# Allegro board pc065c_fibv2_toplevel_28smoothed.brd (continued)
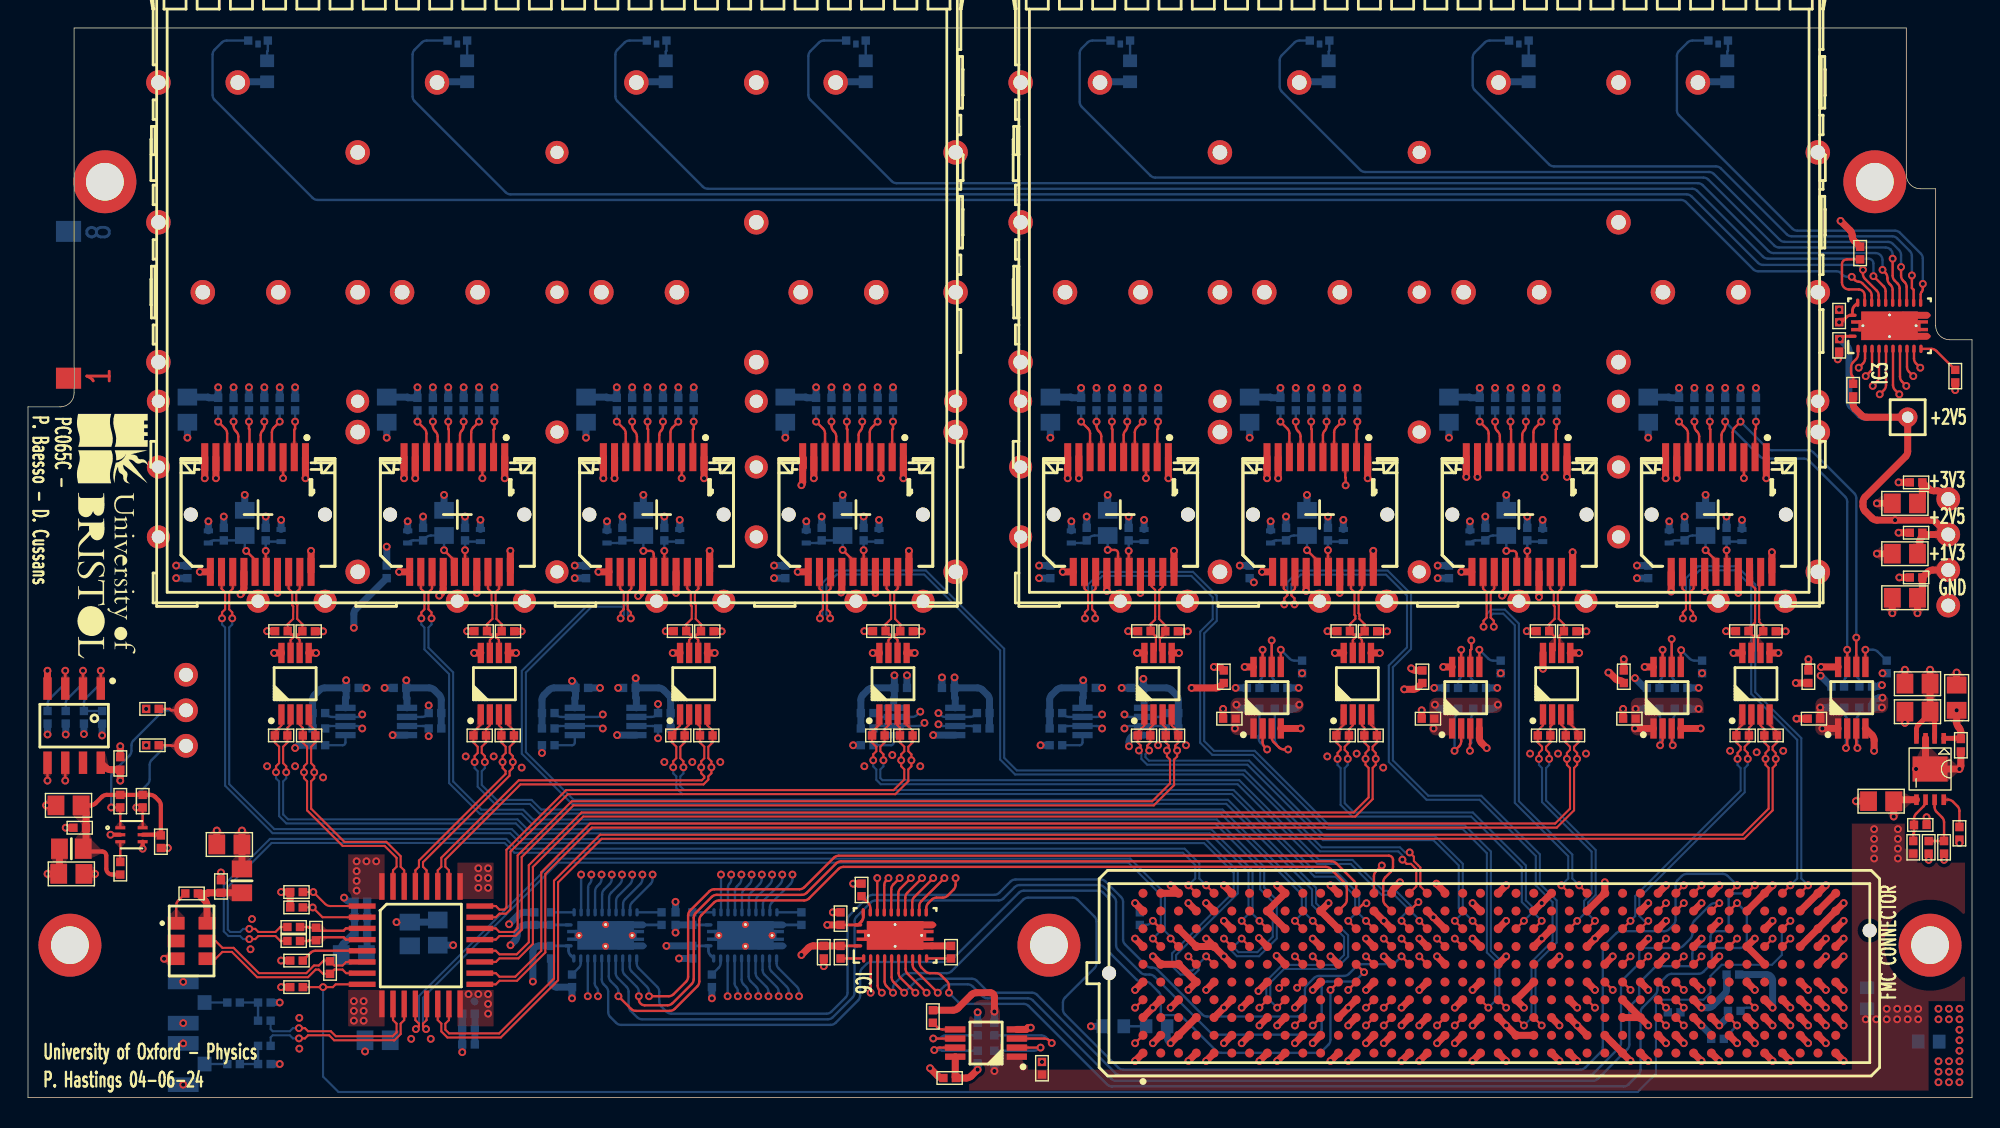
[diagram p0: board, top side]
## Routing (per net, layer and track width the routed paths; a pad name or vN(x,y) marks a point on that pad's centre or on a via; arc(x,y) is an arc through that point) (continued)
TD_FFD_N<6>: length 17.8
  TOP w0.15: U8.2 108.97,26.68 108.85,26.55 R195.2 108.85,25.4 108.55,25.09 108.55,24.87 108.77,24.65 v1(108.77,24.22) ; J2.H26 v1(112.04,12.64)
  BOTTOM w0.15: v1(108.77,24.22) 108.77,23.79 108.55,23.57 108.55,21.25 112.09,17.71 112.09,14.49 111.55,13.95 111.55,13.13 v1(112.04,12.64)
TD_FFD_N<7>: length 19.5
  TOP w0.15: v1(122.97,24.22) 122.97,24.65 122.75,24.87 122.75,25.09 123.05,25.4 R193.2 123.05,26.45 123.22,26.62 U7.2 ; J2.H29 v1(115.85,12.64)
  BOTTOM w0.15: v1(115.85,12.64) 115.56,12.64 115.21,12.99 115.21,14.3 122.75,21.83 122.75,23.57 122.97,23.79 v1(122.97,24.22)
TD_FFD_P<0>: length 83.2
  TOP w0.15: J2.H7 v1(86.78,12.64) ; U3.1 18.12,26.62 17.65,26.15 R1.1 17.65,25.4 17.95,25.09 17.95,23.92 17.73,23.7 v1(17.73,23.27)
  BOTTOM w0.15: v1(17.73,23.27) 17.73,22.83 17.95,22.61 17.95,20.13 18.47,19.61 34.88,19.61 35.59,18.9 84.49,18.9 87.27,16.12 87.27,13.13 v1(86.78,12.64)
TD_FFD_P<1>: length 70.7
  TOP w0.15: U4.1 32.38,26.68 31.85,26.15 R187.1 31.85,25.4 32.16,25.09 32.16,24.65 31.93,24.43 v1(31.93,24) ; J2.H10 v1(90.59,12.64)
  BOTTOM w0.15: v1(90.59,12.64) 91.08,13.13 91.08,14.52 85.29,20.31 36.58,20.31 35.89,21 33.39,21 32.16,22.23 32.16,23.34 31.93,23.56 v1(31.93,24)
TD_FFD_P<2>: length 60.3
  TOP w0.15: U5.1 46.62,26.62 46.05,26.05 R189.1 46.05,25.4 46.35,25.09 46.35,24.27 46.13,24.05 v1(46.13,23.62) ; J2.H13 v1(94.4,12.64)
  BOTTOM w0.15: v1(46.13,23.62) 46.13,23.19 46.35,22.97 46.35,22.15 46.79,21.71 86.08,21.71 91.99,15.8 93.49,15.8 94.89,14.4 94.89,13.13 v1(94.4,12.64)
TD_FFD_P<3>: length 48.8
  TOP w0.15: v1(60.44,24.12) 60.44,24.55 60.66,24.77 60.66,25.09 60.35,25.4 R191.1 60.35,26.15 60.88,26.68 U6.1 ; 98.78,12.07 v1(98.21,12.64)
  BOTTOM w0.15: v1(98.21,12.64) 98.21,12.91 98.61,13.31 98.61,13.58 97.69,14.5 96.79,14.5 94.58,16.71 92.19,16.71 86.49,22.41 60.97,22.41 60.66,22.73 60.66,23.47 60.44,23.69 v1(60.44,24.12)
TD_FFD_P<4>: length 34.5
  TOP w0.15: J2.H19 v1(102.02,12.64) ; v1(79.44,24.82) 79.44,24.85 79.56,24.98 79.56,25.19 79.35,25.4 R199.1 79.35,26.15 79.83,26.62 U10.1
  BOTTOM w0.15: v1(79.44,24.82) 79.44,24.77 79.61,24.6 79.61,24.22 80.02,23.81 87.19,23.81 92.59,18.41 100.49,18.41 102.3,16.6 102.3,13.55 102.51,13.34 102.51,13.13 v1(102.02,12.64)
TD_FFD_P<5>: length 26.9
  TOP w0.15: v1(93.64,24.22) 93.64,24.65 93.86,24.87 93.86,25.09 93.55,25.4 R197.1 93.55,26.15 94.08,26.68 U9.1 ; J2.H22 v1(106.96,12.64)
  BOTTOM w0.15: v1(106.96,12.64) 107.45,13.13 107.45,13.34 106.81,13.98 106.81,16.48 103.19,20.1 94.69,20.1 93.86,20.93 93.86,23.57 93.64,23.79 v1(93.64,24.22)
TD_FFD_P<6>: length 17.9
  TOP w0.15: J2.H25 v1(110.77,12.64) ; v1(108.03,24.22) 108.03,24.65 108.25,24.87 108.25,25.09 107.95,25.4 R195.1 107.95,26.25 108.33,26.62 U8.1
  BOTTOM w0.15: v1(110.77,12.64) 111.26,13.13 111.26,14.07 111.8,14.61 111.8,17.59 108.25,21.13 108.25,23.57 108.03,23.79 v1(108.03,24.22)
TD_FFD_P<7>: length 19.3
  TOP w0.15: U7.1 122.58,26.68 122.15,26.25 R193.1 122.15,25.4 122.45,25.09 122.45,24.87 122.23,24.65 v1(122.23,24.22) ; J2.H28 v1(114.58,12.64)
  BOTTOM w0.15: v1(122.23,24.22) 122.23,23.79 122.45,23.57 122.45,21.95 114.92,14.42 114.92,12.98 v1(114.58,12.64)
TEMP_ALERT: length 1.4
  TOP w0.17: IC2.3 R11.1
UNNAMED_1_CAPCERSMDCL2_I31_B: length 5.6
  TOP w0.17: v1(15.6,39.1) 16.09,38.61 arc(16.2,38.44) 16.24,38.25 J7.15
  BOTTOM w0.17: L5.1 12.94,39.7 arc(13.1,39.81) 13.29,39.85 C35.2 14.94,39.85 arc(15.13,39.89) 15.3,40 C34.2 15.5,39.34 arc(15.53,39.21) v1(15.6,39.1)
UNNAMED_1_CAPCERSMDCL2_I31_B_1: length 5.7
  TOP w0.17: J12.15 30.49,38.2 arc(30.45,38.39) 30.34,38.56 v1(29.75,39.15)
  BOTTOM w0.17: v1(29.75,39.15) C43.2 28.81,40.2 arc(28.62,40.16) 28.45,40.05 C44.2 27.54,39.85 arc(27.35,39.81) 27.19,39.7 L7.1
UNNAMED_1_CAPCERSMDCL2_I31_B_2: length 6
  TOP w0.17: v1(44,39.1) 44.52,39.1 arc(44.67,39.03) 44.74,38.88 J16.15
  BOTTOM w0.17: v1(44,39.1) C48.2 43.8,40 arc(43.63,39.89) 43.44,39.85 C49.2 42.46,39.81 arc(42.3,39.7) 42.11,39.66 L9.1
UNNAMED_1_CAPCERSMDCL2_I31_B_3: length 5.7
  TOP w0.17: J20.15 58.99,38.22 arc(58.95,38.41) 58.84,38.57 v1(58.25,39.17)
  BOTTOM w0.17: L11.1 56.36,39.66 arc(56.55,39.7) 56.71,39.81 C54.2 57.69,39.85 arc(57.88,39.89) 58.05,40 C53.2 v1(58.25,39.17)
UNNAMED_1_CAPCERSMDCL2_I31_B_4: length 5.7
  TOP w0.17: J24.15 120.69,38.2 arc(120.65,38.39) 120.54,38.56 v1(119.95,39.15)
  BOTTOM w0.17: v1(119.95,39.15) C62.2 119.01,40.2 arc(118.82,40.16) 118.65,40.05 C63.2 117.74,39.85 arc(117.55,39.81) 117.39,39.7 L13.1
UNNAMED_1_CAPCERSMDCL2_I31_B_5: length 6
  TOP w0.17: J28.15 106.44,38.88 arc(106.37,39.03) 106.22,39.1 v1(105.7,39.1)
  BOTTOM w0.17: v1(105.7,39.1) C67.2 104.76,40.2 arc(104.57,40.16) 104.4,40.05 C68.2 103.49,39.85 arc(103.3,39.81) 103.14,39.7 L15.1
UNNAMED_1_CAPCERSMDCL2_I31_B_6: length 5.7
  TOP w0.17: J32.15 92.19,38.2 arc(92.15,38.39) 92.04,38.56 v1(91.45,39.15)
  BOTTOM w0.17: v1(91.45,39.15) C72.2 90.51,40.2 arc(90.32,40.16) 90.15,40.05 C73.2 89.24,39.85 arc(89.05,39.81) 88.89,39.7 L17.1
UNNAMED_1_CAPCERSMDCL2_I31_B_7: length 6
  TOP w0.17: J36.15 77.94,38.95 arc(77.87,39.1) 77.72,39.17 v1(77.2,39.17)
  BOTTOM w0.17: v1(77.2,39.17) C77.2 76.26,40.2 arc(76.07,40.16) 75.9,40.05 C78.2 75.66,39.81 arc(75.5,39.7) 75.31,39.66 L19.1
UNNAMED_1_CAPCERSMDCL2_I35_B: length 3.4
  TOP w0.17: v1(17,39.1) 17,37.64 J7.16
  BOTTOM w0.17: v1(17,39.1) C33.2 arc(17.09,39.79) 17.2,39.77 L4.2
UNNAMED_1_CAPCERSMDCL2_I35_B_1: length 3.4
  TOP w0.17: v1(31.25,39.15) 31.25,37.64 J12.16
  BOTTOM w0.17: L6.2 31.45,39.77 arc(31.34,39.79) C42.2 v1(31.25,39.15)
UNNAMED_1_CAPCERSMDCL2_I35_B_2: length 3.4
  TOP w0.17: J16.16 45.5,37.64 v1(45.5,39.1)
  BOTTOM w0.17: L8.2 45.7,39.77 arc(45.59,39.79) C47.2 v1(45.5,39.1)
UNNAMED_1_CAPCERSMDCL2_I35_B_3: length 3.4
  TOP w0.17: v1(59.75,39.15) 59.75,37.64 J20.16
  BOTTOM w0.17: v1(59.75,39.15) C52.2 arc(59.84,39.79) 59.95,39.77 L10.2
UNNAMED_1_CAPCERSMDCL2_I35_B_4: length 3.4
  TOP w0.17: J24.16 121.45,37.64 v1(121.45,39.15)
  BOTTOM w0.17: v1(121.45,39.15) C61.2 arc(121.54,39.79) 121.66,39.77 L12.2
UNNAMED_1_CAPCERSMDCL2_I35_B_5: length 3.4
  TOP w0.17: J28.16 107.2,37.64 v1(107.2,39.1)
  BOTTOM w0.17: L14.2 107.41,39.77 arc(107.29,39.79) C66.2 v1(107.2,39.1)
UNNAMED_1_CAPCERSMDCL2_I35_B_6: length 3.4
  TOP w0.17: J32.16 92.95,37.64 v1(92.95,39.15)
  BOTTOM w0.17: v1(92.95,39.15) C71.2 arc(93.04,39.79) 93.16,39.77 L16.2
UNNAMED_1_CAPCERSMDCL2_I35_B_7: length 3.4
  TOP w0.17: v1(78.7,39.1) 78.7,37.64 J36.16
  BOTTOM w0.17: v1(78.7,39.1) C76.2 arc(78.79,39.79) 78.91,39.77 L18.2
UNNAMED_1_CON20PSFP_I19_RATES_1: length 3.4
  TOP w0.17: v1(28.95,48.34) 28.95,48.03 arc(28.99,47.84) 29.1,47.68 29.14,47.63 arc(29.25,47.47) 29.29,47.28 J12.7
  BOTTOM w0.17: R41.1 v1(28.95,48.34)
UNNAMED_1_CON20PSFP_I19_RATES_2: length 3.4
  TOP w0.17: v1(43.2,48.34) 43.2,48.03 arc(43.24,47.84) 43.35,47.68 43.39,47.63 arc(43.5,47.47) 43.54,47.28 J16.7
  BOTTOM w0.17: R49.1 v1(43.2,48.34)
UNNAMED_1_CON20PSFP_I19_RATES_3: length 3.4
  TOP w0.17: v1(57.45,48.34) 57.45,48.03 arc(57.49,47.84) 57.6,47.68 57.64,47.63 arc(57.75,47.47) 57.79,47.28 J20.7
  BOTTOM w0.17: R57.1 v1(57.45,48.34)
UNNAMED_1_CON20PSFP_I19_RATES_4: length 3.4
  TOP w0.17: v1(119.15,48.34) 119.15,48.03 arc(119.19,47.84) 119.3,47.68 119.34,47.63 arc(119.45,47.47) 119.49,47.28 J24.7
  BOTTOM w0.17: R106.1 v1(119.15,48.34)
UNNAMED_1_CON20PSFP_I19_RATES_5: length 3.4
  TOP w0.17: J28.7 105.24,47.28 arc(105.2,47.47) 105.09,47.63 105.05,47.68 arc(104.94,47.84) 104.9,48.03 v1(104.9,48.34)
  BOTTOM w0.17: R114.1 v1(104.9,48.34)
UNNAMED_1_CON20PSFP_I19_RATES_6: length 3.4
  TOP w0.17: v1(90.65,48.34) 90.65,48.03 arc(90.69,47.84) 90.8,47.68 90.84,47.63 arc(90.95,47.47) 90.99,47.28 J32.7
  BOTTOM w0.17: R122.1 v1(90.65,48.34)
UNNAMED_1_CON20PSFP_I19_RATES_7: length 3.4
  TOP w0.17: J36.7 76.74,47.28 arc(76.7,47.47) 76.59,47.63 76.55,47.68 arc(76.44,47.84) 76.4,48.03 v1(76.4,48.34)
  BOTTOM w0.17: R130.1 v1(76.4,48.34)
UNNAMED_1_CON20PSFP_I19_RATESEL: length 3.4
  TOP w0.17: J7.7 15.04,47.28 arc(15,47.47) 14.89,47.63 14.85,47.68 arc(14.74,47.84) 14.7,48.03 v1(14.7,48.34)
  BOTTOM w0.17: R29.1 v1(14.7,48.34)
UNNAMED_1_RSMD0402_I7_B: length 1.8
  TOP w0.17: R133.2 65.03,5.02 arc(65.19,4.91) 65.38,4.88 IC11.5
UNNAMED_1_RSMD0402_I7_B_1: length 2.1
  BOTTOM w0.17: R138.2 22.5,25.2 arc(22.64,25.26) 22.7,25.4 IC12.5
UNNAMED_1_RSMD0402_I7_B_2: length 2.1
  BOTTOM w0.17: IC14.5 39.1,25.4 arc(39.04,25.26) 38.9,25.2 R143.2
UNNAMED_1_RSMD0402_I7_B_3: length 2.1
  BOTTOM w0.17: IC15.5 61.9,25.4 arc(61.84,25.26) 61.7,25.2 R148.2
UNNAMED_1_RSMD0402_I7_B_4: length 2.1
  BOTTOM w0.17: IC16.5 75.4,25.4 arc(75.34,25.26) 75.2,25.2 R153.2
UNNAMED_1_RSMD0402_I7_B_5: length 3.1
  TOP w0.17: 89.58,30.8 v1(89.58,32.03)
  BOTTOM w0.17: v1(89.58,32.03) 90.21,31.4 arc(90.37,31.29) 90.56,31.25 R158.2
UNNAMED_1_RSMD0402_I7_B_6: length 3.1
  TOP w0.17: 103.78,30.8 v1(103.78,32.03)
  BOTTOM w0.17: R163.2 104.76,31.25 arc(104.57,31.29) 104.41,31.4 v1(103.78,32.03)
UNNAMED_1_RSMD0402_I7_B_7: length 3
  TOP w0.17: v1(118.2,32) 118.17,31.98 IC19.5
  BOTTOM w0.17: v1(118.2,32) 118.81,31.4 arc(118.97,31.29) 119.16,31.25 R168.2
UNNAMED_1_RSMD0402_I7_B_8: length 3.1
  TOP w0.17: IC20.5 v1(131.38,32.03)
  BOTTOM w0.17: v1(131.38,32.03) 131.91,32.03 arc(132.1,31.99) 132.27,31.88 R173.2
UNNAMED_4_FMCHPCGENERIC_I62_GA0: length 2.2
  TOP w0.17: 121.64,5.72 v1(122.2,5.16)
  BOTTOM w0.17: v1(122.2,5.16) 121.85,4.8 121.85,4.8 R16.2
UNNAMED_4_FMCHPCGENERIC_I62_GA1: length 1.9
  TOP w0.17: 122.91,7 v1(123.47,6.43)
  BOTTOM w0.17: v1(123.47,6.43) 122.89,6.43 arc(122.7,6.39) 122.53,6.28 R20.2
UNNAMED_4_FMCHPCGENERIC_I62_TDI: length 1.2
  TOP w0.17: 116.56,7 v1(117.12,6.43)
  BOTTOM w0.17: R65.1 117.25,6.12 arc(117.22,6.29) v1(117.12,6.43)
UNNAMED_4_FMCHPCGENERIC_I62_TDO: length 1.2
  TOP w0.17: 117.83,7 v1(118.39,6.43)
  BOTTOM w0.17: R65.2 118.15,6.19 v1(118.39,6.43)
UNNAMED_5_24AA025E48_I9_A0: length 5.9
  TOP w0.17: IC1.1 v1(5.21,30.53)
  BOTTOM w0.17: R201.1 R202.1 4,28.22 arc(4.04,28.41) 4.15,28.57 5.06,29.48 arc(5.17,29.65) 5.21,29.84 v1(5.21,30.53)
UNNAMED_5_24AA025E48_I9_A1: length 4.6
  TOP w0.17: 3.94,29.25 v1(3.94,30.53)
  BOTTOM w0.17: R204.1 2.7,28.19 arc(2.74,28.38) 2.85,28.54 3.79,29.48 arc(3.9,29.65) 3.94,29.84 v1(3.94,30.53)
UNNAMED_5_24AA025E48_I9_A2: length 4.6
  TOP w0.17: IC1.3 v1(2.67,30.53)
  BOTTOM w0.17: v1(2.67,30.53) 2.67,29.84 arc(2.63,29.65) 2.52,29.48 1.55,28.51 arc(1.44,28.35) 1.4,28.16 R203.1
UNNAMED_7_CAPCERSMDCL2_I28_B: length 2.7
  TOP w0.17: C101.2 138.1,20.49 arc(138.06,20.68) 137.95,20.85 137.64,21.16 arc(137.48,21.27) 137.29,21.3 U11.8
UNNAMED_7_MP20075REG_I17_EN: length 4.3
  TOP w0.17: U11.7 136.32,20.78 arc(136.36,20.59) 136.47,20.43 136.85,20.05 arc(136.96,19.88) 137,19.69 R62.2 R182.2
UNNAMED_7_MP20075REG_I17_REF: length 3.3
  TOP w0.17: U11.6 135.68,21.18 arc(135.64,20.99) 135.53,20.83 135,20.3 arc(134.89,20.13) 134.85,19.94 C19.2 134.85,18.91 134.8,18.86 R183.2
UNNAMED_8_CAPCERSMDCL2_I154_B: length 2.6
  BOTTOM w0.17: R18.1 R12.2 C30.2
UNNAMED_8_CAPCERSMDCL2_I158_B: length 2.6
  BOTTOM w0.17: C121.2 R17.2 R19.1
UNNAMED_8_CAPCERSMDCL2_I167_A: length 4.6
  TOP w0.17: C16.1 20.04,12.2 20.09,12.15 R2.1 20.82,11.94 22.57,11.94 22.73,12.1 U1.3
UNNAMED_8_CAPCERSMDCL2_I168_B: length 4.6
  TOP w0.17: C18.2 20.04,11.2 20.09,11.25 R2.2 20.82,11.46 22.57,11.46 22.73,11.3 U1.4
UNNAMED_8_PCOAX_I121_A: length 1.6
  BOTTOM w0.17: R18.2 PX3.1
UNNAMED_8_PCOAX_I155_A: length 1.6
  BOTTOM w0.17: R19.2 PX4.1
UNNAMED_8_RSMD0402_I172_B: length 2.4
  TOP w0.17: QZ1.1 10.6,13.74 arc(10.64,13.93) 10.75,14.1 R3.2
UNNAMED_13_RSMD0402_I94_B: length 2.7
  TOP w0.17: R66.2 130.5,51.46 arc(130.48,51.55) 130.43,51.64 arc(130.37,51.72) 130.35,51.82 130.35,52.24 arc(130.39,52.43) 130.5,52.6 130.7,52.8 arc(130.81,52.97) 130.85,53.16 IC3.2
UNNAMED_13_RSMD0402_I95_B: length 3
  TOP w0.17: IC3.11 136.09,53.55 arc(136.28,53.51) 136.45,53.4 R67.2
UNNAMED_13_RSMD0402_I96_B: length 5.5
  TOP w0.17: R68.2 130.05,59.95 arc(129.8,59.85) 129.7,59.6 129.7,58.3 arc(129.85,57.95) 130.2,57.8 130.9,57.8 arc(131.2,57.68) 131.32,57.38 IC3.22
UNNAMED_13_RSMD0402_I126_B: length 1.6
  BOTTOM w0.17: IC4.2 R31.2
UNNAMED_13_RSMD0402_I127_B: length 1.8
  BOTTOM w0.17: IC4.11 R32.2
UNNAMED_13_RSMD0402_I128_B: length 1.4
  BOTTOM w0.17: IC4.22 39.52,9.63 arc(39.49,9.44) 39.38,9.28 R69.2
UNNAMED_13_RSMD0402_I147_B: length 1.5
  BOTTOM w0.17: IC5.2 R70.2
UNNAMED_13_RSMD0402_I148_B: length 1.8
  BOTTOM w0.17: R71.2 IC5.11
UNNAMED_13_RSMD0402_I149_B: length 1.4
  BOTTOM w0.17: IC5.22 49.52,9.63 arc(49.49,9.44) 49.38,9.28 R72.2
UNNAMED_13_RSMD0402_I168_B: length 1.6
  TOP w0.17: R73.2 IC6.2
UNNAMED_13_RSMD0402_I169_B: length 1.8
  TOP w0.17: R74.2 IC6.11
UNNAMED_13_RSMD0402_I170_B: length 1.4
  TOP w0.17: IC6.22 60.23,13.57 arc(60.19,13.76) 60.08,13.92 R75.2
UNNAMED_13_RSMD0603_I76_A: length 1.5
  BOTTOM w0.17: R30.1 17.1,74.82 17.15,74.87 DS1.1
UNNAMED_13_RSMD0603_I77_A: length 1.4
  BOTTOM w0.17: DS2.1 R33.1
UNNAMED_13_RSMD0603_I78_A: length 1.5
  BOTTOM w0.17: R58.1 45.6,74.82 45.65,74.87 DS3.1
UNNAMED_13_RSMD0603_I79_A: length 1.4
  BOTTOM w0.17: DS4.1 R59.1
UNNAMED_13_RSMD0603_I80_A: length 1.4
  BOTTOM w0.17: DS5.1 R60.1
UNNAMED_13_RSMD0603_I81_A: length 1.5
  BOTTOM w0.17: DS6.1 93.05,74.87 93,74.82 R61.1
UNNAMED_13_RSMD0603_I82_A: length 1.4
  BOTTOM w0.17: DS7.1 R63.1
UNNAMED_13_RSMD0603_I83_A: length 1.5
  BOTTOM w0.17: R64.1 121.5,74.82 121.55,74.87 DS8.1
VADJ: length 3.2
  TOP w0.5: 129.25,9.54 v1(129.82,10.1) ; J2.G39 v1(128.55,11.37) ; 129.25,12.07 v1(129.82,12.64) ; J2.E39 v1(128.55,7.7)
VIO_B_M2C: length 1.8
  TOP w0.5: J2.J39 129.25,14.62

## Copper pours and planes (outline as drawn; the poured copper is in the pictures)
GND on TOP: 22.9,7.7 22.9,5.1 25.5,5.1 25.5,7.7
GND on TOP: 30.7,16.8 30.7,14.2 33.3,14.2 33.3,16.8
GND on L2_GND, L7_GND: 3.8,76 133.8,76 133.8,66 134.24,64.94 135.3,64.5 135.9,64.5 135.9,55.2 136.34,54.14 137.4,53.7 138.7,53.7 138.7,0.3 0.3,0.3 0.3,48.9 2.3,48.9 3.36,49.34 3.8,50.4 3.8,50.7 6.1,50.7 6.1,62.7 3.8,62.7
P1V3 on L5_PWR: 3.8,76 133.8,76 133.8,66 134.24,64.94 135.3,64.5 135.9,64.5 135.9,55.2 136.34,54.14 137.4,53.7 138.5,53.7 138.5,0.5 0.5,0.5 0.5,48.9 2.3,48.9 3.36,49.34 3.8,50.4 3.8,50.7 6.1,50.7 6.1,62.7 3.8,62.7
P2V5 on TOP: 105.4,28.1 105.25,28.45 104.9,28.6 100.7,28.6 100.35,28.45 100.2,28.1 100.2,26.4 100.35,26.05 100.7,25.9 101.6,25.9 101.95,26.05 102.1,26.4 102.1,27 102.25,27.35 102.6,27.5 104.9,27.5 105.25,27.65 105.4,28
P2V5 on TOP: 130.4,19.6 134.2,19.6 134.2,17.8 135.1,17.8 135.1,16.8 138.5,16.8 138.5,6.9 135.9,6.9 135.9,0.5 67.3,0.5 67.3,6 67.59,6.71 68.3,7 68.5,7 69.21,6.71 69.5,6 69.5,4.2 69.79,3.49 70.5,3.2 71.1,3.2 71.1,2.8 71.21,2.48 71.5,2.31 71.5,2 130.4,2
P2V5 on TOP: 91.2,28.1 91.05,28.45 90.7,28.6 86.48,28.6 86.13,28.45 85.98,28.1 85.98,26.42 86.13,26.07 86.48,25.92 87.38,25.92 87.74,26.07 87.88,26.42 87.88,27.02 88.03,27.38 88.38,27.52 90.7,27.52 91.05,27.67 91.2,28.02
P2V5 on BOTTOM: 130.8,6.9 130.8,5.1 135.7,5.1 135.7,6.9
P2V5 on BOTTOM: 25.7,14.1 25.7,11.9 30.4,11.9 30.4,14.1
P2V5 on L5_PWR: 131.6,47 132.48,49.12 134.6,50 135.3,50 135.3,36.9 133.9,36.9 133.9,33 135.3,33 135.3,15.7 57.3,15.7 57.3,14.4 55.8,12.9 55.8,9.3 54.7,9.3 54.7,15.7 47.1,15.7 47.1,10.2 45.2,10.2 45.2,15.7 36.8,15.7 36.8,7.3 35.6,7.3 35.6,15.7 28.8,15.7 28.8,11.8 24.5,11.8 24.5,15.7 17.9,15.7 17.9,30.6 32.9,30.6 32.9,19.5 36.3,19.5 36.3,31 44,31 44,19.5 57,19.5 57,31.6 67.5,31.6 67.5,19.5 71.3,19.5 71.3,31.2 80.9,31.2 80.9,19.5 85.6,19.5 85.6,31.1 92.2,31.1 92.2,19.5 99.9,19.5 99.9,31.4 107.6,31.4 107.6,19.5 113.9,19.5 113.9,30.6 120.8,30.6 120.8,19.5 131.6,19.5 131.6,25.8 126.5,25.8 126.5,29.7 131.6,29.7
P2V5_FILT on TOP: 30.7,7.7 33.3,7.7 33.3,5.1 30.7,5.1
P2V5_FILT on TOP: 22.9,17.4 22.9,14.2 25.5,14.2 25.5,17.4
P2V5_FILT on BOTTOM: 22.9,17.4 25.4,17.4 25.4,11.7 25.6,11.5 28.1,11.5 28.1,10.2 26.8,8.4 26.8,2.9 27.1,2.6 31.1,2.6 31.4,2.9 31.4,4.6 30.7,4.6 30.7,7.7 33.7,7.7 33.7,1.3 25.5,1.3 25.1,1.7 25.1,7.6 23.6,9.4 23.6,10.9 23.9,11.4 23.9,14.2 22.9,14.2
P3V3 on BOTTOM: 136.1,0.5 138.5,0.5 138.5,6.9 136.1,6.9
P3V3 on L4_PWR: 3.8,76 133.8,76 133.8,66 134.24,64.94 135.3,64.5 135.9,64.5 135.9,55.2 136.34,54.14 137.4,53.7 138.5,53.7 138.5,0.5 0.5,0.5 0.5,48.9 2.3,48.9 3.36,49.34 3.8,50.4 3.8,50.7 6.1,50.7 6.1,62.7 3.8,62.7
FMC_3P3V on BOTTOM: 123,6.9 130.6,6.9 130.6,4.9 135.7,4.9 135.7,0.5 123,0.5
Net_100 on L7_GND (solid shape): 3.8,59.7 2,59.7 2,61.2 3.8,61.2
Net_101 on L6_SIG (solid shape): 3.8,58.2 2,58.2 2,59.7 3.8,59.7
Net_102 on L5_PWR (solid shape): 3.8,56.7 2,56.7 2,58.2 3.8,58.2
Net_103 on L4_PWR (solid shape): 3.8,55.2 2,55.2 2,56.7 3.8,56.7
Net_104 on L3_SIG (solid shape): 3.8,53.7 2,53.7 2,55.2 3.8,55.2
Net_105 on L2_GND (solid shape): 3.8,52.2 2,52.2 2,53.7 3.8,53.7
Net_106 on TOP (solid shape): 3.8,50.7 2,50.7 2,52.2 3.8,52.2
Net_107 on BOTTOM (solid shape): 3.8,61.2 2,61.2 2,62.7 3.8,62.7
VADJ on BOTTOM: 134.1,46.5 134.39,47.21 135.1,47.5 138.5,47.5 138.5,7.3 127.4,7.3 127.4,13.3 131.1,16.8 134.1,16.8
P2V5 on TOP: 119.8,28.1 119.65,28.45 119.3,28.6 115.1,28.6 114.75,28.45 114.6,28.1 114.6,26.4 114.75,26.05 115.1,25.9 116,25.9 116.35,26.05 116.5,26.4 116.5,27 116.65,27.35 117,27.5 119.8,27.5
P2V5 on TOP: 133,28.6 128.3,28.6 127.95,28.45 127.8,28.1 127.8,26.4 127.95,26.05 128.3,25.9 129.2,25.9 129.55,26.05 129.7,26.4 129.7,27 129.85,27.35 130.2,27.5 132.5,27.5 132.85,27.65 133,28

Small or netless copper shapes (teardrops, artwork), in the pictures only: 856 on TOP, 725 on BOTTOM, 73 on L3_SIG, 84 on L6_SIG

## Text on the board
BOTTOM: 8
Ref Des/Silkscreen Bottom: GND | SCL | SDA | +2V5 | +3V3 | +1V3 | I2C BUS | TD_FFD<0> | CLK_MAIN<0> | TD_FFD<1> | CLK_MAIN<1> | TD_FFD<2> | CLK_MAIN<2> | TD_FFD<3> | CLK_MAIN<3> | TD_FFD<4> | CLK_MAIN<4> | TD_FFD<5> | CLK_MAIN<5> | TD_FFD<6> | CLK_MAIN<6> | TD_FFD<7> | CLK_MAIN<7> | P. Baesso - D. Cussans | PC065C - | 0 | 1 | 2 | 3 | 4 | 5 | 6 | 7
User.Comments: PIN A1 REF. | Paolo Baesso, May 2020, David Cussans, July 2023 | pc065b | SECOND CONNECTOR | (OPTIONAL) | PRIMARY CONNECTOR
TOP: 1
Ref Des/Silkscreen Top: University of Oxford - Physics | P. Hastings 04-06-24 | +3V3 | +2V5 | +1V3 | GND | FMC CONNECTOR | P. Baesso - D. Cussans | PC065C -
L2_GND: 2
L3_SIG: 3
L4_PWR: 4
L5_PWR: 5
L6_SIG: 6
L7_GND: 7
DIMENSION: INPUT 1
COMPVAL_TYPE_TOP: FIGURE | FINISHED_SIZE | 0.3 | 0.8128 | 0.95 | 1.0 | 1.05 | 2.7 | 1.3005 | 1.55 | DRILL CHART: TOP to BOTTOM | ALL UNITS ARE IN MILLIMETERS | PLATED | NON-PLATED | QTY | 1156 | 2 | 40 | 13 | 52 | 5 | 16
